# KiCad board untitled.kicad_pcb (continued)
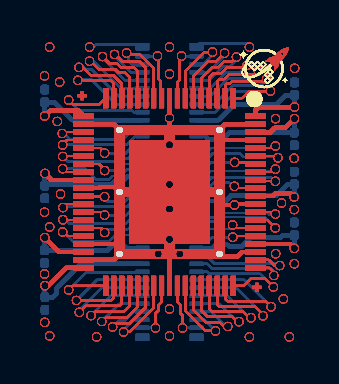
[diagram p0: board, top side]
## Routing (per net, layer and track width the routed paths; a pad name or vN(x,y) marks a point on that pad's centre or on a via; arc(x,y) is an arc through that point) (continued)
  Top w0.1: v1(2.9,12.36) 3.24,12.02 ; v1(2.9,12.36) 3.24,12.02 ; v1(2.9,12.36) 3.24,12.02 ; v1(2.9,12.36) 3.24,12.02 ; v1(2.9,12.36) 3.24,12.02 ; v1(2.9,12.36) 3.24,12.02 ; v1(2.9,12.36) 3.24,12.02 ; v1(2.9,12.36) 3.24,12.02 ; v1(2.9,12.36) 3.24,12.02 ; v1(2.9,12.36) 3.24,12.02 ; v1(2.9,12.36) 3.24,12.02 ; v1(2.9,12.36) 3.24,12.02 ; v1(2.9,12.36) 3.24,12.02 ; v1(2.9,12.36) 3.24,12.02 ; v1(2.9,12.36) 3.24,12.02 ; v1(2.9,12.36) 3.24,12.02 ; v1(2.9,12.36) 3.24,12.02 ; v1(2.9,12.36) 3.24,12.02 ; v1(2.9,12.36) 3.24,12.02 ; v1(2.9,12.36) 3.24,12.02 ; v1(2.9,12.36) 3.24,12.02 ; v1(2.9,12.36) 3.24,12.02 ; v1(2.9,12.36) 3.24,12.02 ; v1(2.9,12.36) 3.24,12.02 ; v1(2.9,12.36) 3.24,12.02 ; v1(2.9,12.36) 3.24,12.02 ; v1(2.9,12.36) 3.24,12.02 ; v1(2.9,12.36) 3.24,12.02 ; v1(2.9,12.36) 3.24,12.02 ; v1(2.9,12.36) 3.24,12.02 ; v1(2.9,12.36) 3.24,12.02 ; v1(2.9,12.36) 3.24,12.02 ; v1(2.9,12.36) 3.24,12.02 ; v1(2.9,12.36) 3.24,12.02 ; v1(2.9,12.36) 3.24,12.02 ; v1(2.9,12.36) 3.24,12.02 ; v1(2.9,12.36) 3.24,12.02 ; v1(2.9,12.36) 3.24,12.02 ; v1(2.9,12.36) 3.24,12.02 ; v1(2.9,12.36) 3.24,12.02 ; v1(2.9,12.36) 3.24,12.02 ; v1(2.9,12.36) 3.24,12.02 ; 3.24,12.02 3.62,12.02 ; 3.24,12.02 3.62,12.02 ; 3.24,12.02 3.62,12.02 ; 3.24,12.02 3.62,12.02 ; 3.24,12.02 3.62,12.02 ; 3.24,12.02 3.62,12.02 ; 3.24,12.02 3.62,12.02 ; 3.24,12.02 3.62,12.02 ; 3.24,12.02 3.62,12.02 ; 3.24,12.02 3.62,12.02 ; 3.24,12.02 3.62,12.02 ; 3.24,12.02 3.62,12.02 ; 3.24,12.02 3.62,12.02 ; 3.24,12.02 3.62,12.02 ; 3.24,12.02 3.62,12.02 ; 3.24,12.02 3.62,12.02 ; 3.24,12.02 3.62,12.02 ; 3.24,12.02 3.62,12.02 ; 3.24,12.02 3.62,12.02 ; 3.24,12.02 3.62,12.02 ; 3.24,12.02 3.62,12.02 ; 3.24,12.02 3.62,12.02 ; 3.24,12.02 3.62,12.02 ; 3.24,12.02 3.62,12.02 ; 3.24,12.02 3.62,12.02 ; 3.24,12.02 3.62,12.02 ; 3.24,12.02 3.62,12.02 ; 3.24,12.02 3.62,12.02 ; 3.24,12.02 3.62,12.02 ; 3.24,12.02 3.62,12.02 ; 3.24,12.02 3.62,12.02 ; 3.24,12.02 3.62,12.02 ; 3.24,12.02 3.62,12.02 ; 3.24,12.02 3.62,12.02 ; 3.24,12.02 3.62,12.02 ; 3.24,12.02 3.62,12.02 ; 3.24,12.02 3.62,12.02 ; 3.24,12.02 3.62,12.02 ; 3.24,12.02 3.62,12.02 ; 3.24,12.02 3.62,12.02 ; 3.24,12.02 3.62,12.02 ; 3.24,12.02 3.62,12.02 ; 3.83,11.82 4.47,11.82 ; 3.83,11.82 3.82,11.83 ; 3.83,11.82 4.47,11.82 ; 3.83,11.82 3.82,11.83 ; 3.83,11.82 3.82,11.83 ; 3.83,11.82 3.82,11.83 ; 3.83,11.82 3.82,11.83 ; 3.83,11.82 3.82,11.83 ; 3.83,11.82 4.47,11.82 ; 3.83,11.82 3.82,11.83 ; 3.83,11.82 4.47,11.82 ; 3.83,11.82 3.82,11.83 ; 3.83,11.82 4.47,11.82 ; 3.83,11.82 3.82,11.83 ; 3.83,11.82 3.82,11.83 ; 3.83,11.82 4.47,11.82 ; 3.83,11.82 4.47,11.82 ; 3.83,11.82 3.82,11.83 ; 3.83,11.82 4.47,11.82 ; 3.83,11.82 4.47,11.82 ; 3.83,11.82 3.82,11.83 ; 3.83,11.82 4.47,11.82 ; 3.83,11.82 3.82,11.83 ; 3.83,11.82 4.47,11.82 ; 3.83,11.82 3.82,11.83 ; 3.83,11.82 3.82,11.83 ; 3.83,11.82 4.47,11.82 ; 3.83,11.82 4.47,11.82 ; 3.83,11.82 4.47,11.82 ; 3.83,11.82 3.82,11.83 ; 3.83,11.82 4.47,11.82 ; 3.83,11.82 3.82,11.83 ; 3.83,11.82 3.82,11.83 ; 3.83,11.82 3.82,11.83 ; 3.83,11.82 3.82,11.83 ; 3.83,11.82 3.82,11.83 ; 3.83,11.82 3.82,11.83 ; 3.83,11.82 3.82,11.83 ; 3.83,11.82 4.47,11.82 ; 3.83,11.82 4.47,11.82 ; 3.83,11.82 3.82,11.83 ; 3.83,11.82 3.82,11.83 ; 3.83,11.82 4.47,11.82 ; 3.83,11.82 4.47,11.82 ; 3.83,11.82 3.82,11.83 ; 3.83,11.82 3.82,11.83 ; 3.83,11.82 4.47,11.82 ; 3.83,11.82 3.82,11.83 ; 3.83,11.82 4.47,11.82 ; 3.83,11.82 4.47,11.82 ; 3.83,11.82 3.82,11.83 ; 3.83,11.82 4.47,11.82 ; 3.83,11.82 4.47,11.82 ; 3.83,11.82 4.47,11.82 ; 3.83,11.82 4.47,11.82 ; 3.83,11.82 3.82,11.83 ; 3.83,11.82 4.47,11.82 ; 3.83,11.82 4.47,11.82 ; 3.83,11.82 3.82,11.83 ; 3.83,11.82 3.82,11.83 ; 3.83,11.82 3.82,11.83 ; 3.83,11.82 3.82,11.83 ; 3.83,11.82 3.82,11.83 ; 3.83,11.82 3.82,11.83 ; 3.83,11.82 4.47,11.82 ; 3.83,11.82 3.82,11.83 ; 3.83,11.82 4.47,11.82 ; 3.83,11.82 4.47,11.82 ; 3.83,11.82 3.82,11.83 ; 3.83,11.82 4.47,11.82 ; 3.83,11.82 4.47,11.82 ; 3.83,11.82 4.47,11.82 ; 3.83,11.82 4.47,11.82 ; 3.83,11.82 4.47,11.82 ; 3.83,11.82 4.47,11.82 ; 3.83,11.82 4.47,11.82 ; 3.83,11.82 3.82,11.83 ; 3.83,11.82 3.82,11.83 ; 3.83,11.82 4.47,11.82 ; 3.83,11.82 4.47,11.82 ; 3.83,11.82 4.47,11.82 ; 3.83,11.82 4.47,11.82 ; 3.83,11.82 3.82,11.83 ; 3.83,11.82 3.82,11.83 ; 4.47,11.82 4.66,11.63 ; 4.47,11.82 4.66,11.63 ; 4.47,11.82 4.66,11.63 ; 4.47,11.82 4.66,11.63 ; 4.47,11.82 4.66,11.63 ; 4.47,11.82 4.66,11.63 ; 4.47,11.82 4.66,11.63 ; 4.47,11.82 4.66,11.63 ; 4.47,11.82 4.66,11.63 ; 4.47,11.82 4.66,11.63 ; 4.47,11.82 4.66,11.63 ; 4.47,11.82 4.66,11.63 ; 4.47,11.82 4.66,11.63 ; 4.47,11.82 4.66,11.63 ; 4.47,11.82 4.66,11.63 ; 4.47,11.82 4.66,11.63 ; 4.47,11.82 4.66,11.63 ; 4.47,11.82 4.66,11.63 ; 4.47,11.82 4.66,11.63 ; 4.47,11.82 4.66,11.63 ; 4.47,11.82 4.66,11.63 ; 4.47,11.82 4.66,11.63 ; 4.47,11.82 4.66,11.63 ; 4.47,11.82 4.66,11.63 ; 4.47,11.82 4.66,11.63 ; 4.47,11.82 4.66,11.63 ; 4.47,11.82 4.66,11.63 ; 4.47,11.82 4.66,11.63 ; 4.47,11.82 4.66,11.63 ; 4.47,11.82 4.66,11.63 ; 4.47,11.82 4.66,11.63 ; 4.47,11.82 4.66,11.63 ; 4.47,11.82 4.66,11.63 ; 4.47,11.82 4.66,11.63 ; 4.47,11.82 4.66,11.63 ; 4.47,11.82 4.66,11.63 ; 4.47,11.82 4.66,11.63 ; 4.47,11.82 4.66,11.63 ; 4.47,11.82 4.66,11.63 ; 4.47,11.82 4.66,11.63 ; 4.47,11.82 4.66,11.63 ; 4.47,11.82 4.66,11.63 ; 3.62,12.02 3.66,11.98 ; 3.62,12.02 3.66,11.98 ; 3.62,12.02 3.66,11.98 ; 3.62,12.02 3.66,11.98 ; 3.62,12.02 3.66,11.98 ; 3.62,12.02 3.66,11.98 ; 3.62,12.02 3.66,11.98 ; 3.62,12.02 3.66,11.98 ; 3.62,12.02 3.66,11.98 ; 3.62,12.02 3.66,11.98 ; 3.62,12.02 3.66,11.98 ; 3.62,12.02 3.66,11.98 ; 3.62,12.02 3.66,11.98 ; 3.62,12.02 3.66,11.98 ; 3.62,12.02 3.66,11.98 ; 3.62,12.02 3.66,11.98 ; 3.62,12.02 3.66,11.98 ; 3.62,12.02 3.66,11.98 ; 3.62,12.02 3.66,11.98 ; 3.62,12.02 3.66,11.98 ; 3.62,12.02 3.66,11.98 ; 3.62,12.02 3.66,11.98 ; 3.62,12.02 3.66,11.98 ; 3.62,12.02 3.66,11.98 ; 3.62,12.02 3.66,11.98 ; 3.62,12.02 3.66,11.98 ; 3.62,12.02 3.66,11.98 ; 3.62,12.02 3.66,11.98 ; 3.62,12.02 3.66,11.98 ; 3.62,12.02 3.66,11.98 ; 3.62,12.02 3.66,11.98 ; 3.62,12.02 3.66,11.98 ; 3.62,12.02 3.66,11.98 ; 3.62,12.02 3.66,11.98 ; 3.62,12.02 3.66,11.98 ; 3.62,12.02 3.66,11.98 ; 3.62,12.02 3.66,11.98 ; 3.62,12.02 3.66,11.98 ; 3.62,12.02 3.66,11.98 ; 3.62,12.02 3.66,11.98 ; 3.62,12.02 3.66,11.98 ; 3.62,12.02 3.66,11.98 ; 3.66,11.98 3.81,11.83 ; 3.66,11.98 3.81,11.83 ; 3.66,11.98 3.81,11.83 ; 3.66,11.98 3.81,11.83 ; 3.66,11.98 3.81,11.83 ; 3.66,11.98 3.81,11.83 ; 3.66,11.98 3.81,11.83 ; 3.66,11.98 3.81,11.83 ; 3.66,11.98 3.81,11.83 ; 3.66,11.98 3.81,11.83 ; 3.66,11.98 3.81,11.83 ; 3.66,11.98 3.81,11.83 ; 3.66,11.98 3.81,11.83 ; 3.66,11.98 3.81,11.83 ; 3.66,11.98 3.81,11.83 ; 3.66,11.98 3.81,11.83 ; 3.66,11.98 3.81,11.83 ; 3.66,11.98 3.81,11.83 ; 3.66,11.98 3.81,11.83 ; 3.66,11.98 3.81,11.83 ; 3.66,11.98 3.81,11.83 ; 3.66,11.98 3.81,11.83 ; 3.66,11.98 3.81,11.83 ; 3.66,11.98 3.81,11.83 ; 3.66,11.98 3.81,11.83 ; 3.66,11.98 3.81,11.83 ; 3.66,11.98 3.81,11.83 ; 3.66,11.98 3.81,11.83 ; 3.66,11.98 3.81,11.83 ; 3.66,11.98 3.81,11.83 ; 3.66,11.98 3.81,11.83 ; 3.66,11.98 3.81,11.83 ; 3.66,11.98 3.81,11.83 ; 3.66,11.98 3.81,11.83 ; 3.66,11.98 3.81,11.83 ; 3.66,11.98 3.81,11.83 ; 3.66,11.98 3.81,11.83 ; 3.66,11.98 3.81,11.83 ; 3.66,11.98 3.81,11.83 ; 3.66,11.98 3.81,11.83 ; 3.66,11.98 3.81,11.83 ; 3.66,11.98 3.81,11.83 ; 3.82,11.83 3.81,11.83 ; 3.82,11.83 3.81,11.83 ; 3.82,11.83 3.81,11.83 ; 3.82,11.83 3.81,11.83 ; 3.82,11.83 3.81,11.83 ; 3.82,11.83 3.81,11.83 ; 3.82,11.83 3.81,11.83 ; 3.82,11.83 3.81,11.83 ; 3.82,11.83 3.81,11.83 ; 3.82,11.83 3.81,11.83 ; 3.82,11.83 3.81,11.83 ; 3.82,11.83 3.81,11.83 ; 3.82,11.83 3.81,11.83 ; 3.82,11.83 3.81,11.83 ; 3.82,11.83 3.81,11.83 ; 3.82,11.83 3.81,11.83 ; 3.82,11.83 3.81,11.83 ; 3.82,11.83 3.81,11.83 ; 3.82,11.83 3.81,11.83 ; 3.82,11.83 3.81,11.83 ; 3.82,11.83 3.81,11.83 ; 3.82,11.83 3.81,11.83 ; 3.82,11.83 3.81,11.83 ; 3.82,11.83 3.81,11.83 ; 3.82,11.83 3.81,11.83 ; 3.82,11.83 3.81,11.83 ; 3.82,11.83 3.81,11.83 ; 3.82,11.83 3.81,11.83 ; 3.82,11.83 3.81,11.83 ; 3.82,11.83 3.81,11.83 ; 3.82,11.83 3.81,11.83 ; 3.82,11.83 3.81,11.83 ; 3.82,11.83 3.81,11.83 ; 3.82,11.83 3.81,11.83 ; 3.82,11.83 3.81,11.83 ; 3.82,11.83 3.81,11.83 ; 3.82,11.83 3.81,11.83 ; 3.82,11.83 3.81,11.83 ; 3.82,11.83 3.81,11.83 ; 3.82,11.83 3.81,11.83 ; 3.82,11.83 3.81,11.83 ; 3.82,11.83 3.81,11.83 ; 4.66,11.63 J158.13 ; 4.66,11.63 J158.13 ; 4.66,11.63 J158.13 ; 4.66,11.63 J158.13 ; 4.66,11.63 J158.13 ; 4.66,11.63 J158.13 ; 4.66,11.63 J158.13 ; 4.66,11.63 J158.13 ; 4.66,11.63 J158.13 ; 4.66,11.63 J158.13 ; 4.66,11.63 J158.13 ; 4.66,11.63 J158.13 ; 4.66,11.63 J158.13 ; 4.66,11.63 J158.13 ; 4.66,11.63 J158.13 ; 4.66,11.63 J158.13 ; 4.66,11.63 J158.13 ; 4.66,11.63 J158.13 ; 4.66,11.63 J158.13 ; 4.66,11.63 J158.13 ; 4.66,11.63 J158.13 ; 4.66,11.63 J158.13 ; 4.66,11.63 J158.13 ; 4.66,11.63 J158.13 ; 4.66,11.63 J158.13 ; 4.66,11.63 J158.13 ; 4.66,11.63 J158.13 ; 4.66,11.63 J158.13 ; 4.66,11.63 J158.13 ; 4.66,11.63 J158.13 ; 4.66,11.63 J158.13 ; 4.66,11.63 J158.13 ; 4.66,11.63 J158.13 ; 4.66,11.63 J158.13 ; 4.66,11.63 J158.13 ; 4.66,11.63 J158.13 ; 4.66,11.63 J158.13 ; 4.66,11.63 J158.13 ; 4.66,11.63 J158.13 ; 4.66,11.63 J158.13 ; 4.66,11.63 J158.13 ; 4.66,11.63 J158.13
  Bottom w0.1: v1(2.9,12.36) 2.9,12.29 ; v1(2.9,12.36) 2.9,12.29 ; v1(2.9,12.36) 2.9,12.29 ; v1(2.9,12.36) 2.9,12.29 ; v1(2.9,12.36) 2.9,12.29 ; v1(2.9,12.36) 2.9,12.29 ; v1(2.9,12.36) 2.9,12.29 ; v1(2.9,12.36) 2.9,12.29 ; v1(2.9,12.36) 2.9,12.29 ; v1(2.9,12.36) 2.9,12.29 ; v1(2.9,12.36) 2.9,12.29 ; v1(2.9,12.36) 2.9,12.29 ; v1(2.9,12.36) 2.9,12.29 ; v1(2.9,12.36) 2.9,12.29 ; v1(2.9,12.36) 2.9,12.29 ; v1(2.9,12.36) 2.9,12.29 ; v1(2.9,12.36) 2.9,12.29 ; v1(2.9,12.36) 2.9,12.29 ; v1(2.9,12.36) 2.9,12.29 ; v1(2.9,12.36) 2.9,12.29 ; v1(2.9,12.36) 2.9,12.29 ; v1(2.9,12.36) 2.9,12.29 ; v1(2.9,12.36) 2.9,12.29 ; v1(2.9,12.36) 2.9,12.29 ; v1(2.9,12.36) 2.9,12.29 ; v1(2.9,12.36) 2.9,12.29 ; v1(2.9,12.36) 2.9,12.29 ; v1(2.9,12.36) 2.9,12.29 ; v1(2.9,12.36) 2.9,12.29 ; v1(2.9,12.36) 2.9,12.29 ; v1(2.9,12.36) 2.9,12.29 ; v1(2.9,12.36) 2.9,12.29 ; v1(2.9,12.36) 2.9,12.29 ; v1(2.9,12.36) 2.9,12.29 ; v1(2.9,12.36) 2.9,12.29 ; v1(2.9,12.36) 2.9,12.29 ; v1(2.9,12.36) 2.9,12.29 ; v1(2.9,12.36) 2.9,12.29 ; v1(2.9,12.36) 2.9,12.29 ; v1(2.9,12.36) 2.9,12.29 ; v1(2.9,12.36) 2.9,12.29 ; v1(2.9,12.36) 2.9,12.29 ; 2.9,12.29 4.01,11.18 ; 2.9,12.29 4.01,11.18 ; 2.9,12.29 4.01,11.18 ; 2.9,12.29 4.01,11.18 ; 2.9,12.29 4.01,11.18 ; 2.9,12.29 4.01,11.18 ; 2.9,12.29 4.01,11.18 ; 2.9,12.29 4.01,11.18 ; 2.9,12.29 4.01,11.18 ; 2.9,12.29 4.01,11.18 ; 2.9,12.29 4.01,11.18 ; 2.9,12.29 4.01,11.18 ; 2.9,12.29 4.01,11.18 ; 2.9,12.29 4.01,11.18 ; 2.9,12.29 4.01,11.18 ; 2.9,12.29 4.01,11.18 ; 2.9,12.29 4.01,11.18 ; 2.9,12.29 4.01,11.18 ; 2.9,12.29 4.01,11.18 ; 2.9,12.29 4.01,11.18 ; 2.9,12.29 4.01,11.18 ; 2.9,12.29 4.01,11.18 ; 2.9,12.29 4.01,11.18 ; 2.9,12.29 4.01,11.18 ; 2.9,12.29 4.01,11.18 ; 2.9,12.29 4.01,11.18 ; 2.9,12.29 4.01,11.18 ; 2.9,12.29 4.01,11.18 ; 2.9,12.29 4.01,11.18 ; 2.9,12.29 4.01,11.18 ; 2.9,12.29 4.01,11.18 ; 2.9,12.29 4.01,11.18 ; 2.9,12.29 4.01,11.18 ; 2.9,12.29 4.01,11.18 ; 2.9,12.29 4.01,11.18 ; 2.9,12.29 4.01,11.18 ; 2.9,12.29 4.01,11.18 ; 2.9,12.29 4.01,11.18 ; 2.9,12.29 4.01,11.18 ; 2.9,12.29 4.01,11.18 ; 2.9,12.29 4.01,11.18 ; 2.9,12.29 4.01,11.18 ; 4.01,11.18 J173.67 ; 4.01,11.18 J173.67 ; 4.01,11.18 J173.67 ; 4.01,11.18 J173.67 ; 4.01,11.18 J173.67 ; 4.01,11.18 J173.67 ; 4.01,11.18 J173.67 ; 4.01,11.18 J173.67 ; 4.01,11.18 J173.67 ; 4.01,11.18 J173.67 ; 4.01,11.18 J173.67 ; 4.01,11.18 J173.67 ; 4.01,11.18 J173.67 ; 4.01,11.18 J173.67 ; 4.01,11.18 J173.67 ; 4.01,11.18 J173.67 ; 4.01,11.18 J173.67 ; 4.01,11.18 J173.67 ; 4.01,11.18 J173.67 ; 4.01,11.18 J173.67 ; 4.01,11.18 J173.67 ; 4.01,11.18 J173.67 ; 4.01,11.18 J173.67 ; 4.01,11.18 J173.67 ; 4.01,11.18 J173.67 ; 4.01,11.18 J173.67 ; 4.01,11.18 J173.67 ; 4.01,11.18 J173.67 ; 4.01,11.18 J173.67 ; 4.01,11.18 J173.67 ; 4.01,11.18 J173.67 ; 4.01,11.18 J173.67 ; 4.01,11.18 J173.67 ; 4.01,11.18 J173.67 ; 4.01,11.18 J173.67 ; 4.01,11.18 J173.67 ; 4.01,11.18 J173.67 ; 4.01,11.18 J173.67 ; 4.01,11.18 J173.67 ; 4.01,11.18 J173.67 ; 4.01,11.18 J173.67 ; 4.01,11.18 J173.67
/PIN 5: length 276.8
  Top w0.1: 2.71,11.73 3.53,11.73 ; 2.71,11.73 3.53,11.73 ; 2.71,11.73 3.53,11.73 ; 2.71,11.73 2.32,12.12 ; 2.71,11.73 2.32,12.12 ; 2.71,11.73 3.53,11.73 ; 2.71,11.73 2.32,12.12 ; 2.71,11.73 2.32,12.12 ; 2.71,11.73 2.32,12.12 ; 2.71,11.73 3.53,11.73 ; 2.71,11.73 2.32,12.12 ; 2.71,11.73 2.32,12.12 ; 2.71,11.73 2.32,12.12 ; 2.71,11.73 2.32,12.12 ; 2.71,11.73 2.32,12.12 ; 2.71,11.73 3.53,11.73 ; 2.71,11.73 2.32,12.12 ; 2.71,11.73 3.53,11.73 ; 2.71,11.73 2.32,12.12 ; 2.71,11.73 3.53,11.73 ; 2.71,11.73 3.53,11.73 ; 2.71,11.73 3.53,11.73 ; 2.71,11.73 2.32,12.12 ; 2.71,11.73 3.53,11.73 ; 2.71,11.73 3.53,11.73 ; 2.71,11.73 2.32,12.12 ; 2.71,11.73 3.53,11.73 ; 2.71,11.73 2.32,12.12 ; 2.71,11.73 3.53,11.73 ; 2.71,11.73 3.53,11.73 ; 2.71,11.73 2.32,12.12 ; 2.71,11.73 2.32,12.12 ; 2.71,11.73 2.32,12.12 ; 2.71,11.73 2.32,12.12 ; 2.71,11.73 3.53,11.73 ; 2.71,11.73 3.53,11.73 ; 2.71,11.73 2.32,12.12 ; 2.71,11.73 3.53,11.73 ; 2.71,11.73 2.32,12.12 ; 2.71,11.73 3.53,11.73 ; 2.71,11.73 2.32,12.12 ; 2.71,11.73 2.32,12.12 ; 2.71,11.73 3.53,11.73 ; 2.71,11.73 3.53,11.73 ; 2.71,11.73 3.53,11.73 ; 2.71,11.73 2.32,12.12 ; 2.71,11.73 3.53,11.73 ; 2.71,11.73 2.32,12.12 ; 2.71,11.73 3.53,11.73 ; 2.71,11.73 3.53,11.73 ; 2.71,11.73 3.53,11.73 ; 2.71,11.73 3.53,11.73 ; 2.71,11.73 3.53,11.73 ; 2.71,11.73 3.53,11.73 ; 2.71,11.73 2.32,12.12 ; 2.71,11.73 2.32,12.12 ; 2.71,11.73 3.53,11.73 ; 2.71,11.73 2.32,12.12 ; 2.71,11.73 3.53,11.73 ; 2.71,11.73 2.32,12.12 ; 2.71,11.73 3.53,11.73 ; 2.71,11.73 3.53,11.73 ; 2.71,11.73 2.32,12.12 ; 2.71,11.73 2.32,12.12 ; 2.71,11.73 2.32,12.12 ; 2.71,11.73 3.53,11.73 ; 2.71,11.73 2.32,12.12 ; 2.71,11.73 2.32,12.12 ; 2.71,11.73 3.53,11.73 ; 2.71,11.73 3.53,11.73 ; 2.71,11.73 2.32,12.12 ; 2.71,11.73 2.32,12.12 ; 2.71,11.73 3.53,11.73 ; 2.71,11.73 3.53,11.73 ; 2.71,11.73 2.32,12.12 ; 2.71,11.73 2.32,12.12 ; 2.71,11.73 2.32,12.12 ; 2.71,11.73 3.53,11.73 ; 2.71,11.73 3.53,11.73 ; 2.71,11.73 2.32,12.12 ; 2.71,11.73 2.32,12.12 ; 2.71,11.73 2.32,12.12 ; 2.71,11.73 3.53,11.73 ; 2.71,11.73 3.53,11.73 ; 3.53,11.73 3.71,11.55 ; 3.53,11.73 3.71,11.55 ; 3.53,11.73 3.71,11.55 ; 3.53,11.73 3.71,11.55 ; 3.53,11.73 3.71,11.55 ; 3.53,11.73 3.71,11.55 ; 3.53,11.73 3.71,11.55 ; 3.53,11.73 3.71,11.55 ; 3.53,11.73 3.71,11.55 ; 3.53,11.73 3.71,11.55 ; 3.53,11.73 3.71,11.55 ; 3.53,11.73 3.71,11.55 ; 3.53,11.73 3.71,11.55 ; 3.53,11.73 3.71,11.55 ; 3.53,11.73 3.71,11.55 ; 3.53,11.73 3.71,11.55 ; 3.53,11.73 3.71,11.55 ; 3.53,11.73 3.71,11.55 ; 3.53,11.73 3.71,11.55 ; 3.53,11.73 3.71,11.55 ; 3.53,11.73 3.71,11.55 ; 3.53,11.73 3.71,11.55 ; 3.53,11.73 3.71,11.55 ; 3.53,11.73 3.71,11.55 ; 3.53,11.73 3.71,11.55 ; 3.53,11.73 3.71,11.55 ; 3.53,11.73 3.71,11.55 ; 3.53,11.73 3.71,11.55 ; 3.53,11.73 3.71,11.55 ; 3.53,11.73 3.71,11.55 ; 3.53,11.73 3.71,11.55 ; 3.53,11.73 3.71,11.55 ; 3.53,11.73 3.71,11.55 ; 3.53,11.73 3.71,11.55 ; 3.53,11.73 3.71,11.55 ; 3.53,11.73 3.71,11.55 ; 3.53,11.73 3.71,11.55 ; 3.53,11.73 3.71,11.55 ; 3.53,11.73 3.71,11.55 ; 3.53,11.73 3.71,11.55 ; 3.53,11.73 3.71,11.55 ; 3.53,11.73 3.71,11.55 ; 3.71,11.55 4.03,11.55 ; 3.71,11.55 4.03,11.55 ; 3.71,11.55 4.03,11.55 ; 3.71,11.55 4.03,11.55 ; 3.71,11.55 4.03,11.55 ; 3.71,11.55 4.03,11.55 ; 3.71,11.55 4.03,11.55 ; 3.71,11.55 4.03,11.55 ; 3.71,11.55 4.03,11.55 ; 3.71,11.55 4.03,11.55 ; 3.71,11.55 4.03,11.55 ; 3.71,11.55 4.03,11.55 ; 3.71,11.55 4.03,11.55 ; 3.71,11.55 4.03,11.55 ; 3.71,11.55 4.03,11.55 ; 3.71,11.55 4.03,11.55 ; 3.71,11.55 4.03,11.55 ; 3.71,11.55 4.03,11.55 ; 3.71,11.55 4.03,11.55 ; 3.71,11.55 4.03,11.55 ; 3.71,11.55 4.03,11.55 ; 3.71,11.55 4.03,11.55 ; 3.71,11.55 4.03,11.55 ; 3.71,11.55 4.03,11.55 ; 3.71,11.55 4.03,11.55 ; 3.71,11.55 4.03,11.55 ; 3.71,11.55 4.03,11.55 ; 3.71,11.55 4.03,11.55 ; 3.71,11.55 4.03,11.55 ; 3.71,11.55 4.03,11.55 ; 3.71,11.55 4.03,11.55 ; 3.71,11.55 4.03,11.55 ; 3.71,11.55 4.03,11.55 ; 3.71,11.55 4.03,11.55 ; 3.71,11.55 4.03,11.55 ; 3.71,11.55 4.03,11.55 ; 3.71,11.55 4.03,11.55 ; 3.71,11.55 4.03,11.55 ; 3.71,11.55 4.03,11.55 ; 3.71,11.55 4.03,11.55 ; 3.71,11.55 4.03,11.55 ; 3.71,11.55 4.03,11.55 ; 4.03,11.55 4.26,11.32 ; 4.03,11.55 4.26,11.32 ; 4.03,11.55 4.26,11.32 ; 4.03,11.55 4.26,11.32 ; 4.03,11.55 4.26,11.32 ; 4.03,11.55 4.26,11.32 ; 4.03,11.55 4.26,11.32 ; 4.03,11.55 4.26,11.32 ; 4.03,11.55 4.26,11.32 ; 4.03,11.55 4.26,11.32 ; 4.03,11.55 4.26,11.32 ; 4.03,11.55 4.26,11.32 ; 4.03,11.55 4.26,11.32 ; 4.03,11.55 4.26,11.32 ; 4.03,11.55 4.26,11.32 ; 4.03,11.55 4.26,11.32 ; 4.03,11.55 4.26,11.32 ; 4.03,11.55 4.26,11.32 ; 4.03,11.55 4.26,11.32 ; 4.03,11.55 4.26,11.32 ; 4.03,11.55 4.26,11.32 ; 4.03,11.55 4.26,11.32 ; 4.03,11.55 4.26,11.32 ; 4.03,11.55 4.26,11.32 ; 4.03,11.55 4.26,11.32 ; 4.03,11.55 4.26,11.32 ; 4.03,11.55 4.26,11.32 ; 4.03,11.55 4.26,11.32 ; 4.03,11.55 4.26,11.32 ; 4.03,11.55 4.26,11.32 ; 4.03,11.55 4.26,11.32 ; 4.03,11.55 4.26,11.32 ; 4.03,11.55 4.26,11.32 ; 4.03,11.55 4.26,11.32 ; 4.03,11.55 4.26,11.32 ; 4.03,11.55 4.26,11.32 ; 4.03,11.55 4.26,11.32 ; 4.03,11.55 4.26,11.32 ; 4.03,11.55 4.26,11.32 ; 4.03,11.55 4.26,11.32 ; 4.03,11.55 4.26,11.32 ; 4.03,11.55 4.26,11.32 ; 4.26,11.32 J158.14 ; 4.26,11.32 J158.14 ; 4.26,11.32 J158.14 ; 4.26,11.32 J158.14 ; 4.26,11.32 J158.14 ; 4.26,11.32 J158.14 ; 4.26,11.32 J158.14 ; 4.26,11.32 J158.14 ; 4.26,11.32 J158.14 ; 4.26,11.32 J158.14 ; 4.26,11.32 J158.14 ; 4.26,11.32 J158.14 ; 4.26,11.32 J158.14 ; 4.26,11.32 J158.14 ; 4.26,11.32 J158.14 ; 4.26,11.32 J158.14 ; 4.26,11.32 J158.14 ; 4.26,11.32 J158.14 ; 4.26,11.32 J158.14 ; 4.26,11.32 J158.14 ; 4.26,11.32 J158.14 ; 4.26,11.32 J158.14 ; 4.26,11.32 J158.14 ; 4.26,11.32 J158.14 ; 4.26,11.32 J158.14 ; 4.26,11.32 J158.14 ; 4.26,11.32 J158.14 ; 4.26,11.32 J158.14 ; 4.26,11.32 J158.14 ; 4.26,11.32 J158.14 ; 4.26,11.32 J158.14 ; 4.26,11.32 J158.14 ; 4.26,11.32 J158.14 ; 4.26,11.32 J158.14 ; 4.26,11.32 J158.14 ; 4.26,11.32 J158.14 ; 4.26,11.32 J158.14 ; 4.26,11.32 J158.14 ; 4.26,11.32 J158.14 ; 4.26,11.32 J158.14 ; 4.26,11.32 J158.14 ; 4.26,11.32 J158.14 ; v1(2.25,12.12) 2.32,12.12 ; v1(2.25,12.12) 2.32,12.12 ; v1(2.25,12.12) 2.32,12.12 ; v1(2.25,12.12) 2.32,12.12 ; v1(2.25,12.12) 2.32,12.12 ; v1(2.25,12.12) 2.32,12.12 ; v1(2.25,12.12) 2.32,12.12 ; v1(2.25,12.12) 2.32,12.12 ; v1(2.25,12.12) 2.32,12.12 ; v1(2.25,12.12) 2.32,12.12 ; v1(2.25,12.12) 2.32,12.12 ; v1(2.25,12.12) 2.32,12.12 ; v1(2.25,12.12) 2.32,12.12 ; v1(2.25,12.12) 2.32,12.12 ; v1(2.25,12.12) 2.32,12.12 ; v1(2.25,12.12) 2.32,12.12 ; v1(2.25,12.12) 2.32,12.12 ; v1(2.25,12.12) 2.32,12.12 ; v1(2.25,12.12) 2.32,12.12 ; v1(2.25,12.12) 2.32,12.12 ; v1(2.25,12.12) 2.32,12.12 ; v1(2.25,12.12) 2.32,12.12 ; v1(2.25,12.12) 2.32,12.12 ; v1(2.25,12.12) 2.32,12.12 ; v1(2.25,12.12) 2.32,12.12 ; v1(2.25,12.12) 2.32,12.12 ; v1(2.25,12.12) 2.32,12.12 ; v1(2.25,12.12) 2.32,12.12 ; v1(2.25,12.12) 2.32,12.12 ; v1(2.25,12.12) 2.32,12.12 ; v1(2.25,12.12) 2.32,12.12 ; v1(2.25,12.12) 2.32,12.12 ; v1(2.25,12.12) 2.32,12.12 ; v1(2.25,12.12) 2.32,12.12 ; v1(2.25,12.12) 2.32,12.12 ; v1(2.25,12.12) 2.32,12.12 ; v1(2.25,12.12) 2.32,12.12 ; v1(2.25,12.12) 2.32,12.12 ; v1(2.25,12.12) 2.32,12.12 ; v1(2.25,12.12) 2.32,12.12 ; v1(2.25,12.12) 2.32,12.12 ; v1(2.25,12.12) 2.32,12.12
  Bottom w0.1: 3.81,10.78 J173.66 ; 3.81,10.78 2.47,12.12 ; 3.81,10.78 2.47,12.12 ; 3.81,10.78 2.47,12.12 ; 3.81,10.78 2.47,12.12 ; 3.81,10.78 J173.66 ; 3.81,10.78 2.47,12.12 ; 3.81,10.78 2.47,12.12 ; 3.81,10.78 2.47,12.12 ; 3.81,10.78 J173.66 ; 3.81,10.78 2.47,12.12 ; 3.81,10.78 2.47,12.12 ; 3.81,10.78 J173.66 ; 3.81,10.78 J173.66 ; 3.81,10.78 2.47,12.12 ; 3.81,10.78 2.47,12.12 ; 3.81,10.78 2.47,12.12 ; 3.81,10.78 2.47,12.12 ; 3.81,10.78 2.47,12.12 ; 3.81,10.78 J173.66 ; 3.81,10.78 2.47,12.12 ; 3.81,10.78 2.47,12.12 ; 3.81,10.78 J173.66 ; 3.81,10.78 2.47,12.12 ; 3.81,10.78 2.47,12.12 ; 3.81,10.78 2.47,12.12 ; 3.81,10.78 2.47,12.12 ; 3.81,10.78 J173.66 ; 3.81,10.78 J173.66 ; 3.81,10.78 J173.66 ; 3.81,10.78 J173.66 ; 3.81,10.78 J173.66 ; 3.81,10.78 2.47,12.12 ; 3.81,10.78 2.47,12.12 ; 3.81,10.78 J173.66 ; 3.81,10.78 2.47,12.12 ; 3.81,10.78 2.47,12.12 ; 3.81,10.78 2.47,12.12 ; 3.81,10.78 2.47,12.12 ; 3.81,10.78 J173.66 ; 3.81,10.78 J173.66 ; 3.81,10.78 2.47,12.12 ; 3.81,10.78 2.47,12.12 ; 3.81,10.78 J173.66 ; 3.81,10.78 J173.66 ; 3.81,10.78 J173.66 ; 3.81,10.78 J173.66 ; 3.81,10.78 J173.66 ; 3.81,10.78 J173.66 ; 3.81,10.78 J173.66 ; 3.81,10.78 2.47,12.12 ; 3.81,10.78 2.47,12.12 ; 3.81,10.78 J173.66 ; 3.81,10.78 J173.66 ; 3.81,10.78 2.47,12.12 ; 3.81,10.78 J173.66 ; 3.81,10.78 J173.66 ; 3.81,10.78 J173.66 ; 3.81,10.78 2.47,12.12 ; 3.81,10.78 2.47,12.12 ; 3.81,10.78 J173.66 ; 3.81,10.78 2.47,12.12 ; 3.81,10.78 J173.66 ; 3.81,10.78 2.47,12.12 ; 3.81,10.78 2.47,12.12 ; 3.81,10.78 2.47,12.12 ; 3.81,10.78 J173.66 ; 3.81,10.78 J173.66 ; 3.81,10.78 J173.66 ; 3.81,10.78 J173.66 ; 3.81,10.78 2.47,12.12 ; 3.81,10.78 J173.66 ; 3.81,10.78 J173.66 ; 3.81,10.78 J173.66 ; 3.81,10.78 J173.66 ; 3.81,10.78 2.47,12.12 ; 3.81,10.78 J173.66 ; 3.81,10.78 J173.66 ; 3.81,10.78 2.47,12.12 ; 3.81,10.78 J173.66 ; 3.81,10.78 2.47,12.12 ; 3.81,10.78 J173.66 ; 3.81,10.78 J173.66 ; 3.81,10.78 2.47,12.12 ; v1(2.25,12.12) 2.47,12.12 ; v1(2.25,12.12) 2.47,12.12 ; v1(2.25,12.12) 2.47,12.12 ; v1(2.25,12.12) 2.47,12.12 ; v1(2.25,12.12) 2.47,12.12 ; v1(2.25,12.12) 2.47,12.12 ; v1(2.25,12.12) 2.47,12.12 ; v1(2.25,12.12) 2.47,12.12 ; v1(2.25,12.12) 2.47,12.12 ; v1(2.25,12.12) 2.47,12.12 ; v1(2.25,12.12) 2.47,12.12 ; v1(2.25,12.12) 2.47,12.12 ; v1(2.25,12.12) 2.47,12.12 ; v1(2.25,12.12) 2.47,12.12 ; v1(2.25,12.12) 2.47,12.12 ; v1(2.25,12.12) 2.47,12.12 ; v1(2.25,12.12) 2.47,12.12 ; v1(2.25,12.12) 2.47,12.12 ; v1(2.25,12.12) 2.47,12.12 ; v1(2.25,12.12) 2.47,12.12 ; v1(2.25,12.12) 2.47,12.12 ; v1(2.25,12.12) 2.47,12.12 ; v1(2.25,12.12) 2.47,12.12 ; v1(2.25,12.12) 2.47,12.12 ; v1(2.25,12.12) 2.47,12.12 ; v1(2.25,12.12) 2.47,12.12 ; v1(2.25,12.12) 2.47,12.12 ; v1(2.25,12.12) 2.47,12.12 ; v1(2.25,12.12) 2.47,12.12 ; v1(2.25,12.12) 2.47,12.12 ; v1(2.25,12.12) 2.47,12.12 ; v1(2.25,12.12) 2.47,12.12 ; v1(2.25,12.12) 2.47,12.12 ; v1(2.25,12.12) 2.47,12.12 ; v1(2.25,12.12) 2.47,12.12 ; v1(2.25,12.12) 2.47,12.12 ; v1(2.25,12.12) 2.47,12.12 ; v1(2.25,12.12) 2.47,12.12 ; v1(2.25,12.12) 2.47,12.12 ; v1(2.25,12.12) 2.47,12.12 ; v1(2.25,12.12) 2.47,12.12 ; v1(2.25,12.12) 2.47,12.12
/PIN 6: length 292.7
  Top w0.1: 1.92,11.82 2.31,11.43 ; 1.92,11.82 v1(1.73,11.82) ; 1.92,11.82 2.31,11.43 ; 1.92,11.82 2.31,11.43 ; 1.92,11.82 v1(1.73,11.82) ; 1.92,11.82 v1(1.73,11.82) ; 1.92,11.82 v1(1.73,11.82) ; 1.92,11.82 2.31,11.43 ; 1.92,11.82 2.31,11.43 ; 1.92,11.82 2.31,11.43 ; 1.92,11.82 2.31,11.43 ; 1.92,11.82 v1(1.73,11.82) ; 1.92,11.82 2.31,11.43 ; 1.92,11.82 v1(1.73,11.82) ; 1.92,11.82 v1(1.73,11.82) ; 1.92,11.82 v1(1.73,11.82) ; 1.92,11.82 2.31,11.43 ; 1.92,11.82 2.31,11.43 ; 1.92,11.82 v1(1.73,11.82) ; 1.92,11.82 2.31,11.43 ; 1.92,11.82 v1(1.73,11.82) ; 1.92,11.82 v1(1.73,11.82) ; 1.92,11.82 2.31,11.43 ; 1.92,11.82 v1(1.73,11.82) ; 1.92,11.82 v1(1.73,11.82) ; 1.92,11.82 v1(1.73,11.82) ; 1.92,11.82 v1(1.73,11.82) ; 1.92,11.82 v1(1.73,11.82) ; 1.92,11.82 v1(1.73,11.82) ; 1.92,11.82 v1(1.73,11.82) ; 1.92,11.82 v1(1.73,11.82) ; 1.92,11.82 2.31,11.43 ; 1.92,11.82 v1(1.73,11.82) ; 1.92,11.82 2.31,11.43 ; 1.92,11.82 v1(1.73,11.82) ; 1.92,11.82 2.31,11.43 ; 1.92,11.82 2.31,11.43 ; 1.92,11.82 2.31,11.43 ; 1.92,11.82 2.31,11.43 ; 1.92,11.82 v1(1.73,11.82) ; 1.92,11.82 v1(1.73,11.82) ; 1.92,11.82 2.31,11.43 ; 1.92,11.82 v1(1.73,11.82) ; 1.92,11.82 2.31,11.43 ; 1.92,11.82 2.31,11.43 ; 1.92,11.82 2.31,11.43 ; 1.92,11.82 2.31,11.43 ; 1.92,11.82 2.31,11.43 ; 1.92,11.82 2.31,11.43 ; 1.92,11.82 2.31,11.43 ; 1.92,11.82 2.31,11.43 ; 1.92,11.82 2.31,11.43 ; 1.92,11.82 2.31,11.43 ; 1.92,11.82 v1(1.73,11.82) ; 1.92,11.82 2.31,11.43 ; 1.92,11.82 v1(1.73,11.82) ; 1.92,11.82 v1(1.73,11.82) ; 1.92,11.82 2.31,11.43 ; 1.92,11.82 v1(1.73,11.82) ; 1.92,11.82 2.31,11.43 ; 1.92,11.82 2.31,11.43 ; 1.92,11.82 v1(1.73,11.82) ; 1.92,11.82 2.31,11.43 ; 1.92,11.82 2.31,11.43 ; 1.92,11.82 v1(1.73,11.82) ; 1.92,11.82 v1(1.73,11.82) ; 1.92,11.82 v1(1.73,11.82) ; 1.92,11.82 2.31,11.43 ; 1.92,11.82 v1(1.73,11.82) ; 1.92,11.82 2.31,11.43 ; 1.92,11.82 v1(1.73,11.82) ; 1.92,11.82 v1(1.73,11.82) ; 1.92,11.82 v1(1.73,11.82) ; 1.92,11.82 2.31,11.43 ; 1.92,11.82 v1(1.73,11.82) ; 1.92,11.82 v1(1.73,11.82) ; 1.92,11.82 2.31,11.43 ; 1.92,11.82 v1(1.73,11.82) ; 1.92,11.82 v1(1.73,11.82) ; 1.92,11.82 2.31,11.43 ; 1.92,11.82 2.31,11.43 ; 1.92,11.82 v1(1.73,11.82) ; 1.92,11.82 2.31,11.43 ; 1.92,11.82 v1(1.73,11.82) ; 2.31,11.43 3.43,11.43 ; 2.31,11.43 3.43,11.43 ; 2.31,11.43 3.43,11.43 ; 2.31,11.43 3.43,11.43 ; 2.31,11.43 3.43,11.43 ; 2.31,11.43 3.43,11.43 ; 2.31,11.43 3.43,11.43 ; 2.31,11.43 3.43,11.43 ; 2.31,11.43 3.43,11.43 ; 2.31,11.43 3.43,11.43 ; 2.31,11.43 3.43,11.43 ; 2.31,11.43 3.43,11.43 ; 2.31,11.43 3.43,11.43 ; 2.31,11.43 3.43,11.43 ; 2.31,11.43 3.43,11.43 ; 2.31,11.43 3.43,11.43 ; 2.31,11.43 3.43,11.43 ; 2.31,11.43 3.43,11.43 ; 2.31,11.43 3.43,11.43 ; 2.31,11.43 3.43,11.43 ; 2.31,11.43 3.43,11.43 ; 2.31,11.43 3.43,11.43 ; 2.31,11.43 3.43,11.43 ; 2.31,11.43 3.43,11.43 ; 2.31,11.43 3.43,11.43 ; 2.31,11.43 3.43,11.43 ; 2.31,11.43 3.43,11.43 ; 2.31,11.43 3.43,11.43 ; 2.31,11.43 3.43,11.43 ; 2.31,11.43 3.43,11.43 ; 2.31,11.43 3.43,11.43 ; 2.31,11.43 3.43,11.43 ; 2.31,11.43 3.43,11.43 ; 2.31,11.43 3.43,11.43 ; 2.31,11.43 3.43,11.43 ; 2.31,11.43 3.43,11.43 ; 2.31,11.43 3.43,11.43 ; 2.31,11.43 3.43,11.43 ; 2.31,11.43 3.43,11.43 ; 2.31,11.43 3.43,11.43 ; 2.31,11.43 3.43,11.43 ; 2.31,11.43 3.43,11.43 ; 3.43,11.43 3.86,11 ; 3.43,11.43 3.86,11 ; 3.43,11.43 3.86,11 ; 3.43,11.43 3.86,11 ; 3.43,11.43 3.86,11 ; 3.43,11.43 3.86,11 ; 3.43,11.43 3.86,11 ; 3.43,11.43 3.86,11 ; 3.43,11.43 3.86,11 ; 3.43,11.43 3.86,11 ; 3.43,11.43 3.86,11 ; 3.43,11.43 3.86,11 ; 3.43,11.43 3.86,11 ; 3.43,11.43 3.86,11 ; 3.43,11.43 3.86,11 ; 3.43,11.43 3.86,11 ; 3.43,11.43 3.86,11 ; 3.43,11.43 3.86,11 ; 3.43,11.43 3.86,11 ; 3.43,11.43 3.86,11 ; 3.43,11.43 3.86,11 ; 3.43,11.43 3.86,11 ; 3.43,11.43 3.86,11 ; 3.43,11.43 3.86,11 ; 3.43,11.43 3.86,11 ; 3.43,11.43 3.86,11 ; 3.43,11.43 3.86,11 ; 3.43,11.43 3.86,11 ; 3.43,11.43 3.86,11 ; 3.43,11.43 3.86,11 ; 3.43,11.43 3.86,11 ; 3.43,11.43 3.86,11 ; 3.43,11.43 3.86,11 ; 3.43,11.43 3.86,11 ; 3.43,11.43 3.86,11 ; 3.43,11.43 3.86,11 ; 3.43,11.43 3.86,11 ; 3.43,11.43 3.86,11 ; 3.43,11.43 3.86,11 ; 3.43,11.43 3.86,11 ; 3.43,11.43 3.86,11 ; 3.43,11.43 3.86,11 ; 3.86,11 J158.15 ; 3.86,11 J158.15 ; 3.86,11 J158.15 ; 3.86,11 J158.15 ; 3.86,11 J158.15 ; 3.86,11 J158.15 ; 3.86,11 J158.15 ; 3.86,11 J158.15 ; 3.86,11 J158.15 ; 3.86,11 J158.15 ; 3.86,11 J158.15 ; 3.86,11 J158.15 ; 3.86,11 J158.15 ; 3.86,11 J158.15 ; 3.86,11 J158.15 ; 3.86,11 J158.15 ; 3.86,11 J158.15 ; 3.86,11 J158.15 ; 3.86,11 J158.15 ; 3.86,11 J158.15 ; 3.86,11 J158.15 ; 3.86,11 J158.15 ; 3.86,11 J158.15 ; 3.86,11 J158.15 ; 3.86,11 J158.15 ; 3.86,11 J158.15 ; 3.86,11 J158.15 ; 3.86,11 J158.15 ; 3.86,11 J158.15 ; 3.86,11 J158.15 ; 3.86,11 J158.15 ; 3.86,11 J158.15 ; 3.86,11 J158.15 ; 3.86,11 J158.15 ; 3.86,11 J158.15 ; 3.86,11 J158.15 ; 3.86,11 J158.15 ; 3.86,11 J158.15 ; 3.86,11 J158.15 ; 3.86,11 J158.15 ; 3.86,11 J158.15 ; 3.86,11 J158.15
  Bottom w0.1: 2.07,11.69 2.38,11.69 ; 2.07,11.69 2.38,11.69 ; 2.07,11.69 1.94,11.82 ; 2.07,11.69 1.94,11.82 ; 2.07,11.69 2.38,11.69 ; 2.07,11.69 2.38,11.69 ; 2.07,11.69 1.94,11.82 ; 2.07,11.69 1.94,11.82 ; 2.07,11.69 1.94,11.82 ; 2.07,11.69 1.94,11.82 ; 2.07,11.69 1.94,11.82 ; 2.07,11.69 2.38,11.69 ; 2.07,11.69 2.38,11.69 ; 2.07,11.69 1.94,11.82 ; 2.07,11.69 2.38,11.69 ; 2.07,11.69 1.94,11.82 ; 2.07,11.69 2.38,11.69 ; 2.07,11.69 1.94,11.82 ; 2.07,11.69 1.94,11.82 ; 2.07,11.69 2.38,11.69 ; 2.07,11.69 2.38,11.69 ; 2.07,11.69 2.38,11.69 ; 2.07,11.69 2.38,11.69 ; 2.07,11.69 2.38,11.69 ; 2.07,11.69 2.38,11.69 ; 2.07,11.69 2.38,11.69 ; 2.07,11.69 2.38,11.69 ; 2.07,11.69 1.94,11.82 ; 2.07,11.69 1.94,11.82 ; 2.07,11.69 2.38,11.69 ; 2.07,11.69 1.94,11.82 ; 2.07,11.69 2.38,11.69 ; 2.07,11.69 1.94,11.82 ; 2.07,11.69 2.38,11.69 ; 2.07,11.69 1.94,11.82 ; 2.07,11.69 2.38,11.69 ; 2.07,11.69 2.38,11.69 ; 2.07,11.69 1.94,11.82 ; 2.07,11.69 2.38,11.69 ; 2.07,11.69 1.94,11.82 ; 2.07,11.69 2.38,11.69 ; 2.07,11.69 1.94,11.82 ; 2.07,11.69 1.94,11.82 ; 2.07,11.69 1.94,11.82 ; 2.07,11.69 2.38,11.69 ; 2.07,11.69 2.38,11.69 ; 2.07,11.69 2.38,11.69 ; 2.07,11.69 1.94,11.82 ; 2.07,11.69 2.38,11.69 ; 2.07,11.69 2.38,11.69 ; 2.07,11.69 1.94,11.82 ; 2.07,11.69 2.38,11.69 ; 2.07,11.69 1.94,11.82 ; 2.07,11.69 1.94,11.82 ; 2.07,11.69 1.94,11.82 ; 2.07,11.69 1.94,11.82 ; 2.07,11.69 2.38,11.69 ; 2.07,11.69 1.94,11.82 ; 2.07,11.69 1.94,11.82 ; 2.07,11.69 1.94,11.82 ; 2.07,11.69 2.38,11.69 ; 2.07,11.69 2.38,11.69 ; 2.07,11.69 2.38,11.69 ; 2.07,11.69 2.38,11.69 ; 2.07,11.69 1.94,11.82 ; 2.07,11.69 1.94,11.82 ; 2.07,11.69 2.38,11.69 ; 2.07,11.69 2.38,11.69 ; 2.07,11.69 1.94,11.82 ; 2.07,11.69 1.94,11.82 ; 2.07,11.69 1.94,11.82 ; 2.07,11.69 1.94,11.82 ; 2.07,11.69 2.38,11.69 ; 2.07,11.69 2.38,11.69 ; 2.07,11.69 1.94,11.82 ; 2.07,11.69 1.94,11.82 ; 2.07,11.69 1.94,11.82 ; 2.07,11.69 1.94,11.82 ; 2.07,11.69 1.94,11.82 ; 2.07,11.69 2.38,11.69 ; 2.07,11.69 2.38,11.69 ; 2.07,11.69 2.38,11.69 ; 2.07,11.69 1.94,11.82 ; 2.07,11.69 2.38,11.69 ; 2.38,11.69 3.69,10.38 ; 2.38,11.69 3.69,10.38 ; 2.38,11.69 3.69,10.38 ; 2.38,11.69 3.69,10.38 ; 2.38,11.69 3.69,10.38 ; 2.38,11.69 3.69,10.38 ; 2.38,11.69 3.69,10.38 ; 2.38,11.69 3.69,10.38 ; 2.38,11.69 3.69,10.38 ; 2.38,11.69 3.69,10.38 ; 2.38,11.69 3.69,10.38 ; 2.38,11.69 3.69,10.38 ; 2.38,11.69 3.69,10.38 ; 2.38,11.69 3.69,10.38 ; 2.38,11.69 3.69,10.38 ; 2.38,11.69 3.69,10.38 ; 2.38,11.69 3.69,10.38 ; 2.38,11.69 3.69,10.38 ; 2.38,11.69 3.69,10.38 ; 2.38,11.69 3.69,10.38 ; 2.38,11.69 3.69,10.38 ; 2.38,11.69 3.69,10.38 ; 2.38,11.69 3.69,10.38 ; 2.38,11.69 3.69,10.38 ; 2.38,11.69 3.69,10.38 ; 2.38,11.69 3.69,10.38 ; 2.38,11.69 3.69,10.38 ; 2.38,11.69 3.69,10.38 ; 2.38,11.69 3.69,10.38 ; 2.38,11.69 3.69,10.38 ; 2.38,11.69 3.69,10.38 ; 2.38,11.69 3.69,10.38 ; 2.38,11.69 3.69,10.38 ; 2.38,11.69 3.69,10.38 ; 2.38,11.69 3.69,10.38 ; 2.38,11.69 3.69,10.38 ; 2.38,11.69 3.69,10.38 ; 2.38,11.69 3.69,10.38 ; 2.38,11.69 3.69,10.38 ; 2.38,11.69 3.69,10.38 ; 2.38,11.69 3.69,10.38 ; 2.38,11.69 3.69,10.38 ; 3.69,10.38 J173.65 ; 3.69,10.38 J173.65 ; 3.69,10.38 J173.65 ; 3.69,10.38 J173.65 ; 3.69,10.38 J173.65 ; 3.69,10.38 J173.65 ; 3.69,10.38 J173.65 ; 3.69,10.38 J173.65 ; 3.69,10.38 J173.65 ; 3.69,10.38 J173.65 ; 3.69,10.38 J173.65 ; 3.69,10.38 J173.65 ; 3.69,10.38 J173.65 ; 3.69,10.38 J173.65 ; 3.69,10.38 J173.65 ; 3.69,10.38 J173.65 ; 3.69,10.38 J173.65 ; 3.69,10.38 J173.65 ; 3.69,10.38 J173.65 ; 3.69,10.38 J173.65 ; 3.69,10.38 J173.65 ; 3.69,10.38 J173.65 ; 3.69,10.38 J173.65 ; 3.69,10.38 J173.65 ; 3.69,10.38 J173.65 ; 3.69,10.38 J173.65 ; 3.69,10.38 J173.65 ; 3.69,10.38 J173.65 ; 3.69,10.38 J173.65 ; 3.69,10.38 J173.65 ; 3.69,10.38 J173.65 ; 3.69,10.38 J173.65 ; 3.69,10.38 J173.65 ; 3.69,10.38 J173.65 ; 3.69,10.38 J173.65 ; 3.69,10.38 J173.65 ; 3.69,10.38 J173.65 ; 3.69,10.38 J173.65 ; 3.69,10.38 J173.65 ; 3.69,10.38 J173.65 ; 3.69,10.38 J173.65 ; 3.69,10.38 J173.65 ; v1(1.73,11.82) 1.94,11.82 ; v1(1.73,11.82) 1.94,11.82 ; v1(1.73,11.82) 1.94,11.82 ; v1(1.73,11.82) 1.94,11.82 ; v1(1.73,11.82) 1.94,11.82 ; v1(1.73,11.82) 1.94,11.82 ; v1(1.73,11.82) 1.94,11.82 ; v1(1.73,11.82) 1.94,11.82 ; v1(1.73,11.82) 1.94,11.82 ; v1(1.73,11.82) 1.94,11.82 ; v1(1.73,11.82) 1.94,11.82 ; v1(1.73,11.82) 1.94,11.82 ; v1(1.73,11.82) 1.94,11.82 ; v1(1.73,11.82) 1.94,11.82 ; v1(1.73,11.82) 1.94,11.82 ; v1(1.73,11.82) 1.94,11.82 ; v1(1.73,11.82) 1.94,11.82 ; v1(1.73,11.82) 1.94,11.82 ; v1(1.73,11.82) 1.94,11.82 ; v1(1.73,11.82) 1.94,11.82 ; v1(1.73,11.82) 1.94,11.82 ; v1(1.73,11.82) 1.94,11.82 ; v1(1.73,11.82) 1.94,11.82 ; v1(1.73,11.82) 1.94,11.82 ; v1(1.73,11.82) 1.94,11.82 ; v1(1.73,11.82) 1.94,11.82 ; v1(1.73,11.82) 1.94,11.82 ; v1(1.73,11.82) 1.94,11.82 ; v1(1.73,11.82) 1.94,11.82 ; v1(1.73,11.82) 1.94,11.82 ; v1(1.73,11.82) 1.94,11.82 ; v1(1.73,11.82) 1.94,11.82 ; v1(1.73,11.82) 1.94,11.82 ; v1(1.73,11.82) 1.94,11.82 ; v1(1.73,11.82) 1.94,11.82 ; v1(1.73,11.82) 1.94,11.82 ; v1(1.73,11.82) 1.94,11.82 ; v1(1.73,11.82) 1.94,11.82 ; v1(1.73,11.82) 1.94,11.82 ; v1(1.73,11.82) 1.94,11.82 ; v1(1.73,11.82) 1.94,11.82 ; v1(1.73,11.82) 1.94,11.82
